# Altium PCB Brake Module PCB.PcbDoc
Units mil, origin at the board's own origin, x right, y up, seen from the top; angles counter-clockwise.
Board outline 11200 x 5900 mil, 2 copper layers (Top Layer, Bottom Layer); 154 components, 112 nets, 506 pads, 42 vias.
Unrouted connection lines stored in the file: 182.
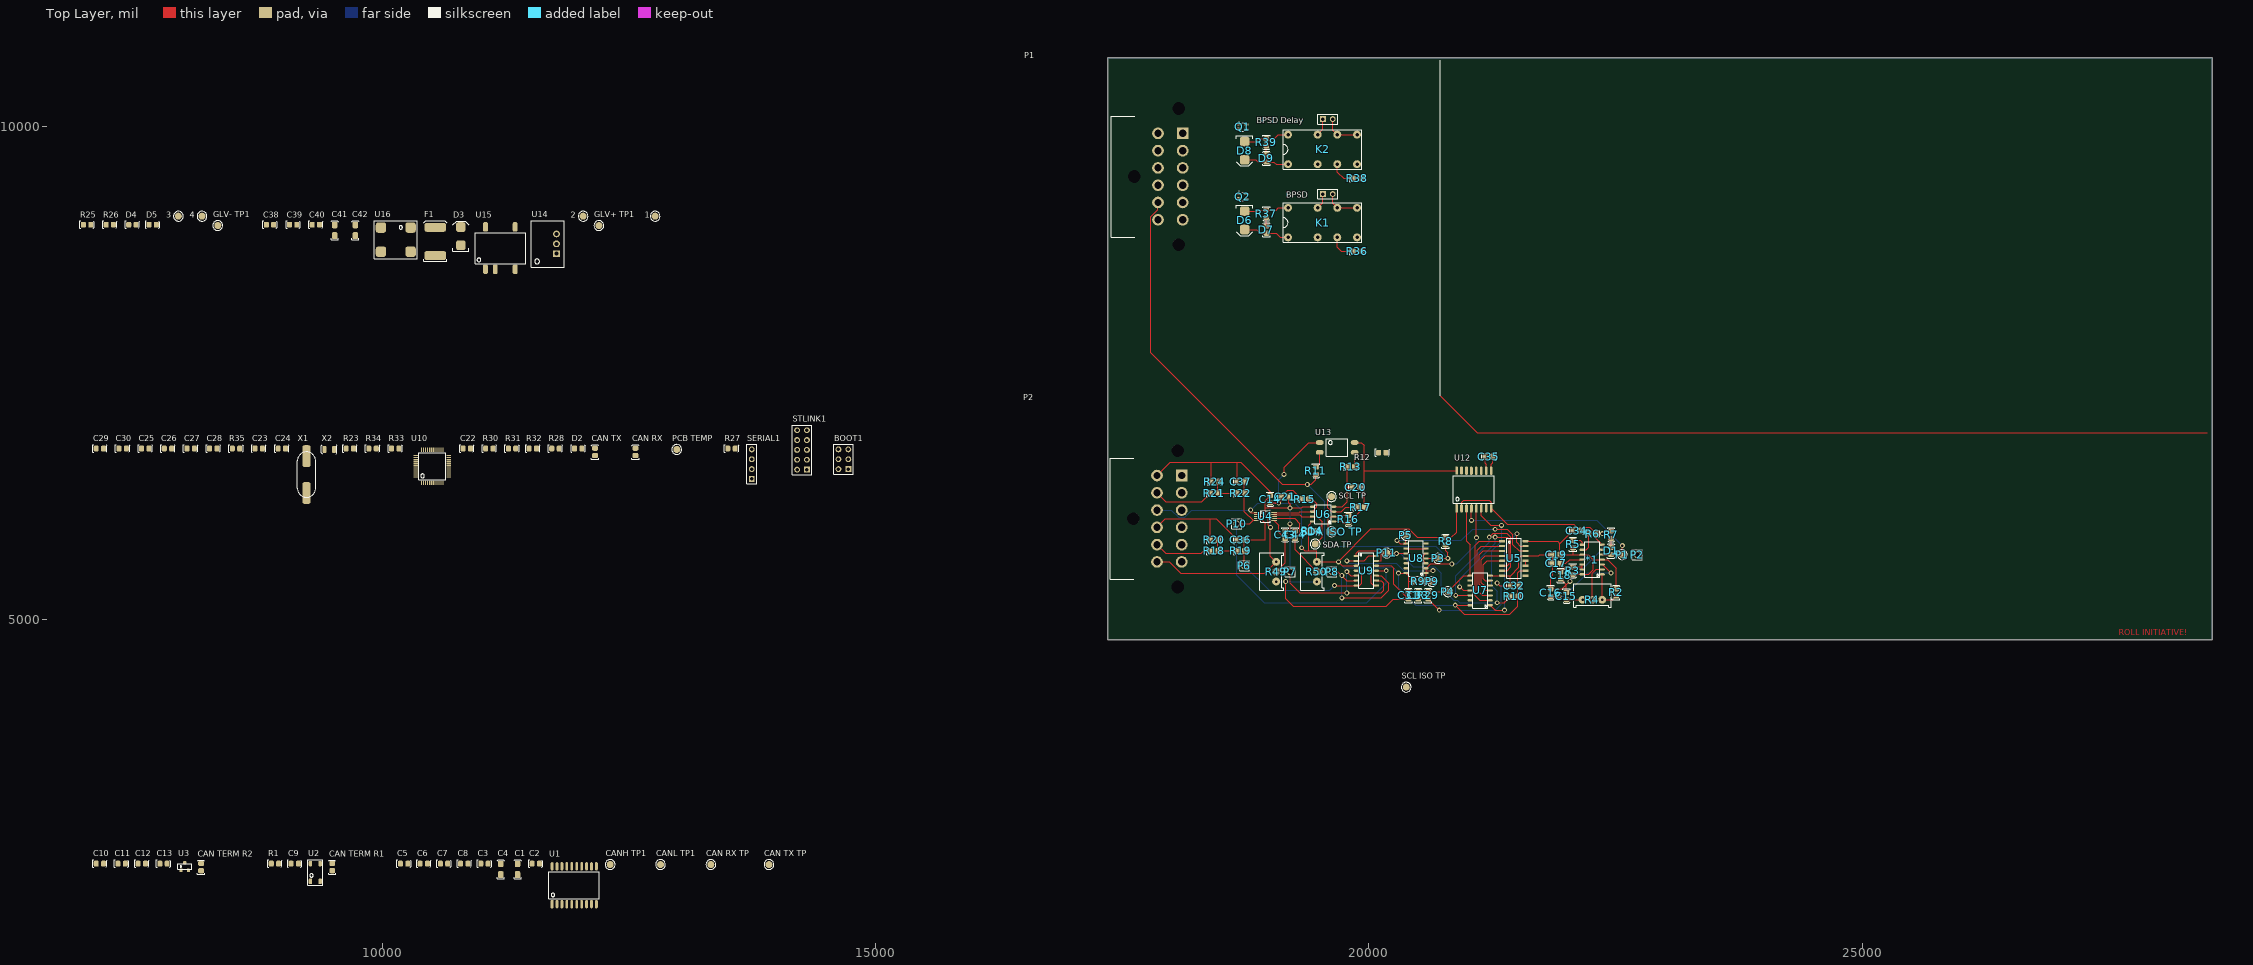
[diagram p0: Top Layer view]
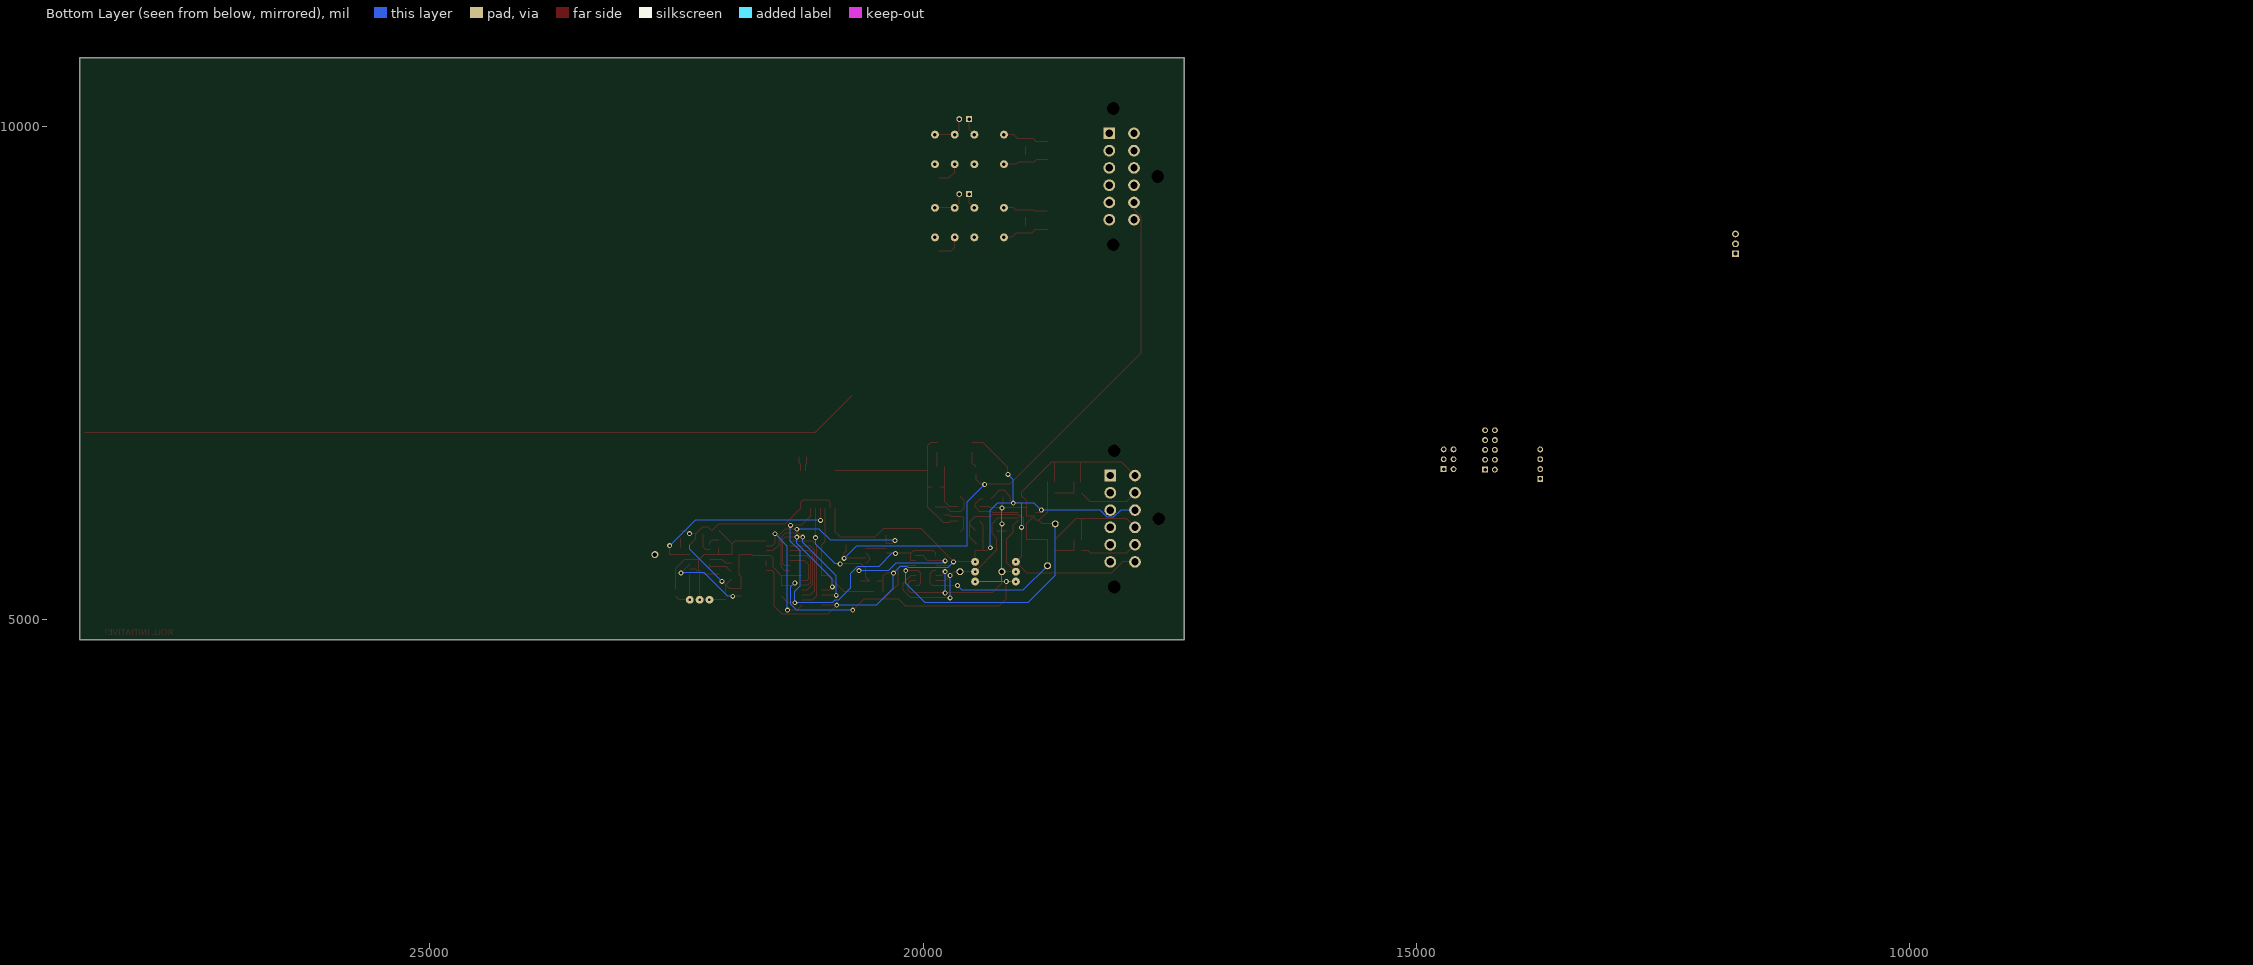
[diagram p1: Bottom Layer view, seen from below]

## Layer stack, top to bottom
Top Solder: solder mask 0.4, Solder Resist, Dk 3.5
Top Layer: signal copper 1.4
Dielectric 1: dielectric 12.6, FR-4, Dk 4.8
Bottom Layer: signal copper 1.4
Bottom Solder: solder mask 0.4, Solder Resist, Dk 3.5

## Board outline
17350,4800 17350,10700 28550,10700 28550,4800

## Design rules (kind name [scope] priority, off if disabled: settings)
Clearance [All] p1: gap=10 ignorepadtopadclearanceinfootprint=FALSE except(0: Arc-Hole Track-Hole SMDPad-Hole THPad-Hole Via-Hole Fill-Hole Poly-Hole Region-Hole Text-Hole)
PolygonConnect [All] p1: connectstyle=Relief reliefconductorwidth=10 reliefentries=4 polygonreliefangle="90 Angle" airgapwidth=10
RoomDefinition "U_Safety Loops" [InComponentClass('U_Safety Loops')] p1: confinementstyle=ConfineIn formatcopy=TRUE lockcomponents=FALSE outline 18520,8500 20080,8500 20080,10240 18520,10240
RoomDefinition "U_Power Supply" [InComponentClass('U_Power Supply')] p2: confinementstyle=ConfineIn formatcopy=TRUE lockcomponents=FALSE outline 6915,8480.12 12820,8480.12 12820,10780 6915,10780
RoomDefinition U_Microcontroller [InComponentClass('U_Microcontroller')] p3: confinementstyle=ConfineIn formatcopy=TRUE lockcomponents=FALSE outline 7045,6160 14855,6160 14855,6890 7045,6890
RoomDefinition "U_Digital Isolation" [InComponentClass('U_Digital Isolation')] p4: confinementstyle=ConfineIn formatcopy=TRUE lockcomponents=FALSE outline 7045,2725 12590,2725 12590,3365 7045,3365
RoomDefinition U_CAN [InComponentClass('U_CAN')] p5: confinementstyle=ConfineIn formatcopy=TRUE lockcomponents=FALSE outline 7045,2040 14405,2040 14405,2680 7045,2680
RoomDefinition U_BSPD [InComponentClass('U_BSPD')] p6: confinementstyle=ConfineIn formatcopy=TRUE lockcomponents=FALSE outline 7045,1470 16235,1470 16235,5860 7045,5860
RoutingVias [All] p1: holewidth=28 width=50 viastyle="Through Hole" minholewidth=28 minwidth=50 maxholewidth=28 maxwidth=50
SolderMaskExpansion [All] p1: expansion=4
Width [All] p1: maxlimit=10 minlimit=10 preferedwidth=10
30 further rules are at their usual default settings.

## Classes and differential pairs
component class "U_4 Channel ADC": C14
component class U_BSPD: C15 C16 C17 C18 C19 C31 C32 C33 C43 C44 D1 P1 P3 P4 P5 P6 P7 P8 P9 P10 P11 R2 R3 R4 R5 R6 R7 R8 R9 R10 R29 R49 R50 U5 U8 U9
component class U_CAN: C1 C2 C3 C4 C5 C6 C7 C8 C9 C10 C11 C12 C13 "CAN RX TP" "CAN TERM R1" "CAN TERM R2" "CAN TX TP" "CANH TP1" "CANL TP1" R1 U1 U2 U3
component class "U_Digital Isolation": C20 C21 C34 R11 R12 R14 R15 R16 R17 "SCL ISO TP" "SCL TP" "SDA ISO TP" "SDA TP" U12 U13
component class U_Header: P1
component class "U_Input Filter": C36 C37 R18 R19 R20 R21 R22 R24
component class U_Microcontroller: BOOT1 C22 C23 C24 C25 C26 C27 C28 C29 C30 "CAN RX" "CAN TX" D2 "PCB TEMP" R23 R27 R28 R30 R31 R32 R33 R34 R35 SERIAL1 STLINK1 U10 X1 X2
component class "U_Power Supply": 1 2 3 4 C38 C39 C40 C41 C42 D3 D4 D5 F1 "GLV+ TP1" "GLV- TP1" R25 R26 U14 U15 U16
component class "U_Safety Loops": BPSD "BPSD Delay" D6 D7 D8 D9 K1 K2 Q1 Q2 R36 R37 R38 R39

## Components (designator, comment, footprint, x,y, rotation, side; value= is the part's Value field where it differs from the comment)
1 "0mm" "SMD Test Point" 12760,9095.12 r90 top
2 "0mm" "SMD Test Point" 12030,9095.12 r90 top
3 "0mm" "SMD Test Point" 7925,9095.12 r90 top
4 "0mm" "SMD Test Point" 8165,9095.12 r90 top
*1 "NE556DR" "TI 14-SOIC" 22467.97,6213.14 r90 top
BOOT1 "2.54mm" "TH 2.54mm Header 2x3" 14720,6530 r90 top
BPSD "2.54mm" "TH 2.54mm Header 1x2" 19532.94,9320 r0 top (schematic designator "BPSD Bypass1")
"BPSD Delay" "2.54mm" "TH 2.54mm Header 1x2" 19532.94,10080 r0 top (schematic designator "BPSD Delay Bypass1")
C1 "10nF" 1206 11365,2520 r90 top
C2 "100nF" 0805 11550,2530 r0 top
C3 "100nF" 0805 11030,2530 r0 top
C4 "10nF" 1206 11195,2520 r90 top
C5 "10uF" 0805 10215,2530 r0 top
C6 "100nF" 0805 10415,2530 r0 top
C7 "10uF" 0805 10620,2530 r0 top
C8 "100nF" 0805 10825,2530 r0 top
C9 "22pF" 0805 9105,2530 r0 top
C10 "100pF" 0805 7130,2530 r0 top
C11 "100pF" 0805 7350,2530 r0 top
C12 "100pF" 0805 7555,2530 r0 top
C13 "100pF" 0805 7775,2530 r0 top
C14 "100nF" 0805 19000,6225 r270 top
C15 "10uF" 0805 22004,5242 r270 top
C16 "10pF" 0805 21844,5277 r270 top
C17 "10pF" 0805 21900,5575 r0 top
C18 "10uF" 0805 21944,5452 r90 top
C19 "100nF" 0805 21900,5664.17 r0 top
C20 "100nF" 0805 19867,6347 r0 top
C21 "100nF" 0805 19150,6250 r180 top
C22 "100nF" 0805 10850,6740 r0 top
C23 "22pF" 0805 8740,6740 r0 top
C24 "22pF" 0805 8975,6740 r0 top
C25 "1uF" 0805 7590,6740 r0 top
C26 "100nF" 0805 7820,6740 r0 top
C27 "100nF" 0805 8050,6740 r0 top
C28 "100nF" 0805 8280,6740 r0 top
C29 "22pF" 0805 7130,6740 r0 top
C30 "22pF" 0805 7360,6740 r0 top
C31 "100nF" 0805 20400,5250 r90 top
C32 "100nF" 0805 21472.13,5350 r0 top
C33 "100nF" 0805 20499.22,5249.99 r90 top
C34 "100nF" 0805 22105,5905 r180 top
C35 "100nF" 0805 21216,6657 r180 top
C36 "100nF" 0805 18700,5813.07 r0 top
C37 "100nF" 0805 18700,6404.17 r0 top
C38 "10uF" 0805 8855,9010.12 r0 top
C39 "10uF" 0805 9090,9010.12 r0 top
C40 "10uF" 0805 9320,9010.12 r0 top
C41 "22uF" 1206 9510,9000.12 r90 top
C42 "22uF" 1206 9720,9000.12 r90 top
C43 "100nF" 0805 19151.03,5862.13 r270 top
C44 "100nF" 0805 19251.03,5862.13 r270 top
"CAN RX" "Blue" "0805 LED" 12560,6705 r90 top
"CAN RX TP" "0mm" "SMD Test Point" 13325,2520 r90 top
"CAN TERM R1" "56R" 0805 9485,2495 r90 top
"CAN TERM R2" "56R" 0805 8155,2495 r90 top
"CAN TX" "Blue" "0805 LED" 12150,6705 r90 top
"CAN TX TP" "0mm" "SMD Test Point" 13915,2520 r90 top
"CANH TP1" "0mm" "SMD Test Point" 12305,2520 r90 top
"CANL TP1" "0mm" "SMD Test Point" 12815,2520 r90 top
D1 "Yellow" "0805 LED" 22454.9,5701.01 r90 top
D2 "Red" "0805 LED" 11980,6740 r0 top
D3 "SD560BTR" "SMB Diode" 10790,8810.12 r90 top
D4 "Red" "0805 LED" 7460,9010.12 r0 top
D5 "Red" "0805 LED" 7665,9010.12 r0 top
D6 "SD560BTR" "SMB Diode" 18738.97,9135.2 r270 top
D7 "Green" "0805 LED" 18959.17,8960 r90 top
D8 "SD560BTR" "SMB Diode" 18738.97,9842.6 r270 top
D9 "Green" "0805 LED" 18959.17,9682.6 r90 top
F1 "0ZCF0100AF2A" 2920 10530,8695.12 r90 top
"GLV+ TP1" "0mm" "SMD Test Point" 12190,9000.12 r90 top
"GLV- TP1" "0mm" "SMD Test Point" 8325,9000.12 r90 top
K1 "V23105A5475A201" "TI 2-DIL" 19528.97,9030 r0 top
K2 "V23105A5475A201" "TI 2-DIL" 19528.97,9772.6 r0 top
P1 "DT13-12P" DT13-12P 17860.15,9935.2 r270 top
P1 "0mm" "SMD Test Point" 22569,5663.14 r0 top
P2 "DT13-12P" DT13-12P 17850,6465.08 r270 top
P2 "0mm" "TH Test Point" 22719,5663.14 r0 top
P3 "0mm" "SMD Test Point" 20700,5625 r0 top
P4 "0mm" "SMD Test Point" 20800,5286.92 r0 top
P5 "0mm" "SMD Test Point" 20375,5860 r0 top
P6 "0mm" "TH Test Point" 18736.93,5549.82 r0 top
P7 "0mm" "TH Test Point" 19200,5489.82 r0 top
P8 "0mm" "TH Test Point" 19625,5489.82 r0 top
P9 "0mm" "SMD Test Point" 20640,5390.85 r0 top
P10 "0mm" "TH Test Point" 18659,5975 r0 top
P11 "0mm" "SMD Test Point" 20180,5680 r0 top
"PCB TEMP" "0mm" "SMD Test Point" 12980,6730 r90 top
Q1 "2N7002K" SOT-343_N 18720,10000 r0 top
Q2 "2N7002K" SOT-343_N 18718.34,9294.41 r0 top
R1 "0R" 0805 8905,2530 r0 top
R2 "10k" 0805 22505.93,5279.8 r90 top
R3 "1M" 0805 22070.03,5500.07 r270 top
R4 "10K (Var)" "B 3296" 22269,5227 r0 top
R5 "20k" 0805 22069,5770 r90 top
R6 "20k" 0805 22269,5876.82 r0 top
R7 "1.5k" 0805 22456.96,5864.13 r270 top
R8 "3.3k" 0805 20775,5799.82 r90 top
R9 "3.3k" 0805 20500,5389.82 r180 top
R10 "3.3k" 0805 21472.13,5240 r0 top
R11 "680R" 0805 19462.99,6513.96 r270 top
R12 "100R" 0805 20135,6698 r0 top
R13 "10k" 0805 19817,6554 r0 top
R14 "3.3k" 0805 19425,5901.62 r180 top
R15 "3.3k" 0805 19350,6225 r180 top
R16 "3.3k" 0805 19793.03,6022.13 r270 top
R17 "3.3k" 0805 19915.07,6146.23 r0 top
R18 "0R" 0805 18430,5701.03 r0 top
R19 "1k" 0805 18700,5701.03 r0 top
R20 "200R" 0805 18430,5813.07 r0 top
R21 "0R" 0805 18430,6288.85 r0 top
R22 "1k" 0805 18700,6288.85 r0 top
R23 "10k" 0805 9665,6740 r0 top
R24 "200R" 0805 18437.87,6404.17 r0 top
R25 "680R" 0805 7000,9010.12 r0 top
R26 "510R" 0805 7230,9010.12 r0 top
R27 "10k" 0805 13535,6740 r0 top
R28 "10K (NTC) (B25/85 3430K)" 0805 11750,6740 r0 top
R29 "10k" 0805 20599.22,5249.99 r90 top
R30 "510R" 0805 11080,6740 r0 top
R31 "510R" 0805 11310,6740 r0 top
R32 "510R" 0805 11520,6740 r0 top
R33 "10k" 0805 10125,6740 r0 top
R34 "10k" 0805 9895,6740 r0 top
R35 "10M" 0805 8510,6740 r0 top
R36 "1.5k" 0805 19878.97,8740 r0 top
R37 "680R" 0805 18960,9120 r270 top
R38 "1.5k" 0805 19878.97,9480 r0 top
R39 "680R" 0805 18960,9842.6 r270 top
R49 "10K (Var)" "B 3296" 19036.61,5493.21 r90 top
R50 "10K (Var)" "B 3296" 19450,5493.21 r90 top
"SCL ISO TP" "0mm" "SMD Test Point" 20378,4319 r90 top
"SCL TP" "0mm" "SMD Test Point" 19620,6251.03 r90 top
"SDA ISO TP" "0mm" "SMD Test Point" 19620,5895 r90 top
"SDA TP" "0mm" "SMD Test Point" 19455,5770 r90 top
SERIAL1 "2.54mm" "TH 2.54mm Header 1x4" 13740,6430 r90 top
STLINK1 "2.54mm" "TH 2.54mm Header 2x5" 14300,6525 r90 top
U1 "ADM3053" "AD SOIC-W 20" 11940,2310 r0 top
U2 "B82787C0104H002" "TDK 4-PC Pad" 9265,2350 r90 top
U3 "NUP2105L" "ON SOT-23" 7990,2500 r0 top
U4 "ADS1115" "TI 10-VSSOP" 18950,6050 r0 top
U5 "MC74HC595ADR2G" "ON 16-SOIC" 21463.78,5799.82 r0 top
U6 "ISO1540DR" "TI 8-SOIC" 19264,6099.26 r180 top
U7 "CD74HC30M96" "TI 14-SOIC" 21332.09,5900 r90 top
U8 "SN74HC00DR" "TI 14-SOIC" 20682.09,6225 r90 top
U9 "LMV339IDR" "TI 14-SOIC" 19768.64,4899.82 r270 top
U10 "STM32F103C8T6" "STM 48-LQFP" 10500,6560 r0 top
U12 "ADuM1400" "AD 16-SOIC" 21114,6324 r0 top
U13 "LTV-817S-TA1" "ON 4-SMD" 19687.01,6750 r0 top
U14 "R-78C5.0-1.0" "RECOM 3-SIP" 11760,8715.12 r90 top
U15 "R2S-053.3/P" "RECOM 8-SMD (5 Pin)" 11190,8770.12 r0 top
U16 "744272121" "Wurth 4-PC Pad" 9980,8735.12 r0 top
X1 "Value" "Abracon HC-49/US" 9225,6475 r90 top
X2 "32.768kHz" "EPSON 2-SMD" 9455,6730 r0 top

## Footprints (in the part's own frame and the unit in brackets; to place one, negate y for a bottom-side part, rotate by r counter-clockwise, add the part's x,y. Pads: shape width x height; smd on the part's side, far side on the other; paste and mask are expansions set on the pad)
0805 [mil]
  rrect50% 51.18x59.06 smd: 1(-37.87,-1.03) 2(36.93,-1.03)
  silkscreen extent -73,-37 71,37, body extent -39,-26 39,26, height 29
"0805 LED" [mil]
  rrect50% 51.18x59.06 smd: A(-37.87,-1.03) K(36.93,-1.03)
  silkscreen extent -73,-37 71,37, body extent -43,-25 35,25, height 39
1206 [mm]
  rrect50% 1.8x1.4 smd: 1(-2.6,0) 2(0.2,0)
  silkscreen extent -3.7,-0.9 1.2,0.9, body extent -2.9,-0.9 0.5,0.9, height 1.85
2920 [mm]
  rrect50% 2.3x5.6 smd: 1(0,0) 2(7.3,0)
  silkscreen extent -1.4,-3 9,3, body extent -0.34,-2.81 7.64,2.81, height 1.14
"Abracon HC-49/US" [mm]
  rrect50% 5.6x2.1 smd: 1(-4.75,0) 2(4.75,0)
  silkscreen extent -5.85,-2.35 5.85,2.35, body extent -6.35,-2.35 6.35,2.35, height 4.06
"AD 16-SOIC" [mil]
  rrect50% 28x85 smd: 1(-225,-192.02)
  oval 28x85 smd: 2(-175,-192.02) 3(-125,-192.02) 4(-75,-192.02) 5(-25,-192.02) 6(25,-192.02) 7(75,-192.02) 8(125,-192.02) 9(125,190) 10(75,189.96) 11(25,189.96) 12(-25,189.96) 13(-75,189.96) 14(-125,189.96) 15(-175,191.98) 16(-225,191.98)
  silkscreen extent -257,-138 155,138, body extent -256,-209 156,209, height 104
"AD SOIC-W 20" [mil]
  rrect50% 28x85 smd: 1(-225,-192.02)
  oval 28x85 smd: 2(-175,-192.02) 3(-125,-192.02) 4(-75,-192.02) 5(-25,-192.02) 6(25,-192.02) 7(75,-192.02) 8(125,-192.02) 9(175,-192.02) 10(225,-192.02) 11(225,192.02) 12(175,191.98) 13(125,191.98) 14(75,191.98) 15(25,191.98) 16(-25,191.98) 17(-75,191.98) 18(-125,191.98) 19(-175,191.98) 20(-225,191.98)
  silkscreen extent -257,-138 256,138, body extent -260,-210 260,210, height 105
"B 3296" [mil]
  round 80 hole 25.2: 1(-103.39,-22) 2(-3.39,-22) 3(96.61,-22)
  silkscreen extent -193,-97 187,143, body extent -191,-97 184,143, height 455
DT13-12P [mm]
  round 3 hole 3.3 unplated: 0(-6.405,5.33) 0(11.135,-6.1) 0(28.675,5.33)
  rect 3x3 hole 1.9: 1(0,6.35)
  round 3 hole 1.9: 2(4.45,6.35) 3(8.9,6.35) 4(13.35,6.35) 5(17.8,6.35) 6(22.25,6.35) 7(22.25,0) 8(17.8,0) 9(13.35,0) 10(8.9,0) 11(4.45,0) 12(0,0)
  silkscreen extent -4.45,-12 26.7,-6, body extent -18.6,-34.7 40.6,9.5, height 37.63
"EPSON 2-SMD" [mm]
  rrect50% 1x1.8 smd: 1(-1.25,0) 2(1.25,0)
  silkscreen extent -2,-1.2 2,1.2, body extent -1.5,-1 1.5,1, height 1
"ON 4-SMD" [mm] "SOP, 4-Leads, Body 3.85x4.4mm, Pitch 2.54mm, IPC Medium Density"
  oval 2x1.2 smd: 1(-4.75,1.27) 2(-4.75,-1.27) 3(4.25,-1.27) 4(4.25,1.27)
  silkscreen extent -3,-2.25 2.5,2.25, body extent -5.33,-2.3 4.83,2.3, height 4.6
"ON 16-SOIC" [mm]
  rrect50% 1.6x0.58 smd: 1(-2.89,0) 2(-2.89,-1.27) 3(-2.89,-2.54) 4(-2.89,-3.81) 5(-2.89,-5.08) 6(-2.89,-6.35) 7(-2.89,-7.62) 8(-2.89,-8.89) 9(3.14,-8.89) 10(3.14,-7.62) 11(3.14,-6.35) 12(3.14,-5.08) 13(3.14,-3.81) 14(3.14,-2.54) 15(3.14,-1.27) 16(3.14,0)
  silkscreen extent -1.75,-9.5 2,0.75, body extent -3.09,-9.4 3.14,0.6, height 1.75
"ON SOT-23" [mm] "NUP2105L"
  rrect50% 0.8x0.9 smd: 1(-0.95,-1) 2(0.95,-1) 3(0,1)
  silkscreen extent -1.75,-0.65 1.75,0.75, body extent -1.5,-1.27 1.5,1.28, height 1
"RECOM 3-SIP" [mm] "12 to 42 Vdc In, 9 Vdc Out"
  rect 1.75x1.75 hole 1: 1(0,0)
  round 1.75 hole 1: 2(2.54,0) 3(5.08,0)
  silkscreen extent -3.5,-2 8.5,6.5, body extent -3.26,-2.02 8.34,6.48, height 11.41
"RECOM 8-SMD (5 Pin)" [mm]
  rrect50% 1.2x2.4 smd: 1(-3.81,-5.4) 2(-1.27,-5.4) 4(3.81,-5.4) 5(3.81,5.5) 8(-3.81,5.5)
  silkscreen extent -6.5,-4 6.5,4, body extent -6.37,-5.55 6.38,5.55, height 9.2
"SMB Diode" [mm]
  rrect50% 2.5x2.5 smd: A(-0.25,0) K(4.45,0)
  silkscreen extent -1.75,-2.1 6,2.1, body extent -0.69,-1.97 4.9,1.97, height 2.5
"SMD Test Point" [mm]
  round 1.8 smd: 1(0,0)
  silkscreen extent -1.27,-1.27 1.27,1.27
SOT-343_N [mm] "SOT343, 4-Leads, Body 2x1.3 mm, Pitch 1.3mm, Lead Span 2.1mm, IPC Medium Density"
  rect 1.15x0.5 smd: 1(-0.925,0.65) 3(0.925,-0.65) 4(0.925,0.65)
  rect 1.15x0.8 smd: 2(-0.925,-0.5)
  silkscreen extent -0.97,-1.1 0.2,1.35, body extent -0.7,-1.1 0.7,1.1, height 1
"STM 48-LQFP" [mm]
  rrect50% 0.3x1.2 smd: 1(-2.75,-4.25) 2(-2.25,-4.25) 3(-1.75,-4.25) 4(-1.25,-4.25) 5(-0.75,-4.25) 6(-0.25,-4.25) 7(0.25,-4.25) 8(0.75,-4.25) 9(1.25,-4.25) 10(1.75,-4.25) 11(2.25,-4.25) 12(2.75,-4.25) 25(2.75,4.25) 26(2.25,4.25) 27(1.75,4.25) 28(1.25,4.25) 29(0.75,4.25) 30(0.25,4.25) 31(-0.25,4.25) 32(-0.75,4.25) 33(-1.25,4.25) 34(-1.75,4.25) 35(-2.25,4.25) 36(-2.75,4.25)
  rrect50% 1.2x0.3 smd: 13(4.25,-2.75) 14(4.25,-2.25) 15(4.25,-1.75) 16(4.25,-1.25) 17(4.25,-0.75) 18(4.25,-0.25) 19(4.25,0.25) 20(4.25,0.75) 21(4.25,1.25) 22(4.25,1.75) 23(4.25,2.25) 24(4.25,2.75) 37(-4.25,2.75) 38(-4.25,2.25) 39(-4.25,1.75) 40(-4.25,1.25) 41(-4.25,0.75) 42(-4.25,0.25) 43(-4.25,-0.25) 44(-4.25,-0.75) 45(-4.25,-1.25) 46(-4.25,-1.75) 47(-4.25,-2.25) 48(-4.25,-2.75)
  silkscreen extent -3.5,-3.5 3.5,3.5, body extent -4.6,-4.6 4.6,4.6, height 1.6
"TDK 4-PC Pad" [mm]
  rrect50% 1.35x0.9 smd: 1(0,0) 2(0,-2.5) 3(4.55,-2.5) 4(4.55,0)
  silkscreen extent -1,-3.2 5.5,0.7, body extent -0.02,-2.82 4.48,0.38, height 2.8
"TH 2.54mm Header 1x2" [mm]
  rect 1.5x1.5 hole 0.9: 1(0,0)
  round 1.5 hole 0.9: 2(2.54,0)
  silkscreen extent -1.27,-1.27 3.81,1.27
"TH 2.54mm Header 1x4" [mm]
  rect 1.5x1.5 hole 0.9: 1(0,0)
  round 1.5 hole 0.9: 2(2.54,0) 3(5.08,0) 4(7.62,0)
  silkscreen extent -1.27,-1.27 8.89,1.27
"TH 2.54mm Header 2x3" [mm]
  rect 1.5x1.5 hole 0.9: 1(0,0)
  round 1.5 hole 0.9: 2(0,2.54) 3(2.54,0) 4(2.54,2.54) 5(5.08,0) 6(5.08,2.54)
  silkscreen extent -1.27,-1.27 6.35,3.81
"TH 2.54mm Header 2x5" [mm]
  rect 1.5x1.5 hole 0.9: 1(0,0)
  round 1.5 hole 0.9: 2(0,2.54) 3(2.54,0) 4(2.54,2.54) 5(5.08,0) 6(5.08,2.54) 7(7.62,0) 8(7.62,2.54) 9(10.16,0) 10(10.16,2.54)
  silkscreen extent -1.27,-1.27 11.43,3.81
"TH Test Point" [mm]
  round 1.8 hole 1.2: 1(0,0)
  silkscreen extent -1.27,-1.27 1.27,1.27
"TI 2-DIL" [mil]
  round 80 hole 35.43: 1(-350,-150) 4(-50,-150) 6(150,-150) 8(350,-150) 9(350,150) 11(150,150) 13(-50,150) 16(-350,150)
  silkscreen extent -400,-200 400,200, body extent -398,-197 398,197, height 450
"TI 8-SOIC" [mm]
  oval 1.2x0.6 smd: 1(-9.677,2.54) 2(-9.677,1.27) 3(-9.677,0) 4(-9.677,-1.27) 5(-4.089,-1.27) 6(-4.089,0) 7(-4.089,1.27) 8(-4.089,2.54)
  silkscreen extent -9,-1.78 -4.75,3.17, body extent -9.96,-1.87 -3.76,3.14, height 1.76
"TI 10-VSSOP" [mm]
  rrect50% 1.45x0.3 smd: 1(-2.2,1) 2(-2.2,0.5) 3(-2.2,0) 4(-2.2,-0.5) 5(-2.2,-1) 6(2.2,-1) 7(2.2,-0.5) 8(2.2,0) 9(2.2,0.5) 10(2.2,1)
  silkscreen extent -1.25,-1.5 1.25,1.5, body extent -2.45,-1.5 2.45,1.5, height 1.12
"TI 14-SOIC" [mil]
  oval 22x52 smd: 1(-750,102.36) 2(-700,102.36) 3(-650,102.36) 4(-600,102.36) 5(-550,102.36) 6(-500,102.36) 7(-450,102.36) 8(-450,307.09) 9(-500,307.09) 10(-550,307.09) 11(-600,307.09) 12(-650,307.09) 13(-700,307.09) 14(-750,307.09)
  silkscreen extent -780,130 -420,280, body extent -770,86 -430,323, height 69
"Wurth 4-PC Pad" [mm]
  rrect50% 2.7x2.7 smd: 1(7.62,6.22) 2(0,6.22) 3(0,0) 4(7.62,0)
  silkscreen extent -1.7,-1.8 9.4,8, body extent -1.19,-1.24 8.81,7.46, height 6.2

## Part data
1 2 3 4 "CAN RX TP" "CAN TX TP" "CANH TP1" "CANL TP1" "GLV+ TP1" "GLV- TP1" P1 P3 P4 P5 P9 P11 "PCB TEMP" "SCL ISO TP" "SCL TP" "SDA ISO TP" "SDA TP": library part "SMD Test Point", Angle=0, Contact=NA, Flange=No, Part Number="SMD Test Point", Pitch=0mm, Positions=1, Row Spacing=0
*1: "IC OSC TIMER DUAL 100KHZ 14SOIC", Digikey Part Number=296-26240-1-ND, Manufacturer="Texas Instruments", Digikey Link=https://www.digikey.com/product-detail/en/texas-instruments/NE556DR/296-26240-1-ND/2254905, Part Number=NE556DR
BOOT1: library part "TH 2.54mm Header 2x3", Angle=0, Contact=NA, Flange=No, Part Number="TH 2.54mm Header 2x3", Pitch=2.54mm, Positions=6, Row Spacing=2.54mm